# Allegro board SG2042_EVB_V1_1.brd (continued)
## Routing (per net, layer and track width the routed paths; a pad name or vN(x,y) marks a point on that pad's centre or on a via; arc(x,y) is an arc through that point) (continued)
134.82,195.87 U40.9 ; 134.72,196.32 U40.8 ; 76.52,148.22 J4.26 ; J4.26 77.84,148.22 ; J4.26 77.18,148.88 ; J4.26 77.18,147.56 ; 205.3,129.52 J1.48 ; J1.48 206.62,129.52 ; J1.48 205.96,128.86 ; J1.48 205.96,130.18 ; U34.20 181.38,195.76 ; 67.12,166.92 J3.4 ; J3.4 67.78,166.26 ; J3.4 68.45,166.92 ; 120.95,19.23 C1367.2 ; C1367.2 121.56,19.81 ; C1367.2 122.17,19.23 ; J2.268 201.02,59.82 ; J2.268 200.36,60.48 ; J2.268 200.36,59.16 ; J2.268 199.7,59.82 ; 67.12,153.32 J3.20 ; J3.20 67.78,153.98 ; J3.20 67.78,152.66 ; J3.20 68.45,153.32 ; J2.173 198.76,146.33 ; J2.173 198.76,145.01 ; J2.173 199.42,145.67 ; J2.173 198.1,145.67 ; R14.2 v1(72.97,86.13) ; 23.06,201.17 C557.2 22.15,201.17 ; C3144.1 v1(224.54,189.31) ; C3144.1 223.93,188.85 ; C3144.1 223.93,189.76 ; 69.98,133.11 J3.187 ; J3.187 69.98,134.43 ; J3.187 69.32,133.77 ; J3.187 70.65,133.77 ; J4.125 76.24,58.97 ; J4.125 75.58,58.31 ; J4.125 75.58,59.63 ; J4.125 74.92,58.97 ; J1.259 208.16,68.13 ; J1.259 207.5,67.47 ; J1.259 208.16,66.81 ; J1.259 208.82,67.47 ; J3.101 66.18,80.03 ; J3.101 66.85,79.37 ; J3.101 66.18,78.71 ; J3.101 65.52,79.37 ; 198.76,47.73 J2.283 198.1,47.07 ; J2.263 198.76,64.73 ; J2.263 198.76,63.41 ; J2.263 198.1,64.07 ; J2.263 199.42,64.07 ; J3.272 71.58,57.08 ; J3.272 70.92,56.42 ; J3.272 72.25,56.42 ; J3.272 71.58,55.76 ; R2413.2 v1(247.04,44.4) R2414.2 ; 205.96,150.96 J1.22 ; J1.22 206.62,151.62 ; J1.22 205.96,152.28 ; J1.22 205.3,151.62 ; R84.1 R85.1 v1(20.95,193.73) ; R84.1 21.82,193.88 ; R84.1 22.28,194.34 ; R654.2 v1(57,72.97) ; J4.105 76.24,75.97 ; J4.105 75.58,75.31 ; J4.105 75.58,76.63 ; J4.105 74.92,75.97 ; 124.66,196.32 v1(124.66,196.66) 124.76,196.77 U38.7 ; 204.36,141.61 J1.33 ; J1.33 205.02,142.27 ; J1.33 204.36,142.93 ; J1.33 203.7,142.27 ; J2.160 200.36,157.38 ; J2.160 199.7,156.72 ; J2.160 200.36,156.06 ; J2.160 201.02,156.72 ; R193.1 v1(184.35,228.7) ; U49.5 219.45,64.23 v1(219.48,64.26) 220.19,64.26 C1441.2 R461.1 ; C1415.2 v1(128.6,14.94) ; J3.28 68.45,146.52 ; J3.28 67.78,145.86 ; J3.28 67.78,147.18 ; J3.28 67.12,146.52 ; 199.7,143.12 J2.176 ; J2.176 201.02,143.12 ; J2.176 200.36,143.78 ; J2.176 200.36,142.46 ; C578.1 223.93,197.43 ; C578.1 v1(224.54,196.98) ; C578.1 223.93,196.52 ; 69.98,148.41 J3.169 ; J3.169 69.98,149.73 ; J3.169 70.65,149.07 ; J3.169 69.32,149.07 ; J4.11 75.58,161.63 ; J4.11 74.92,160.97 ; J4.11 76.24,160.97 ; J4.11 75.58,160.31 ; J4.131 75.58,54.53 ; J4.131 75.58,53.21 ; J4.131 76.24,53.87 ; J4.131 74.92,53.87 ; 114.6,196.32 v1(114.6,196.66) 114.7,196.77 U42.7 ; 114.6,196.32 v1(114.6,195.97) 114.7,195.87 U42.9 ; 114.6,196.32 114.6,196.32 U42.8 ; C1390.2 94.22,200.2 94.48,199.95 v1(94.48,199.66) 94.5,199.64 U44.2 96.32,199.64 v1(96.86,199.09) v1(96.25,198.48) 96.06,198.29 U44.5 94.5,198.29 v1(94.48,198.26) 94.48,197.94 94.23,197.69 C1384.2 v1(93.88,197.08) ; 67.78,84.66 J3.94 ; J3.94 68.45,85.32 ; J3.94 67.12,85.32 ; U17.40 142.96,16.51 ; U17.40 142.64,16 ; 153.38,230.88 D23.2 153.38,230.18 ; U815.2 v1(113.31,167.9) ; 229.51,230.88 D8.2 229.51,230.18 ; U2.H10 v1(211.53,206.04) ; R195.1 193.29,229.16 ; R195.1 193.29,228.24 ; R195.1 v1(192.68,228.7) ; 77.18,164.56 J4.6 ; J4.6 76.52,165.22 ; J4.6 77.84,165.22 ; 69.98,82.11 J3.241 ; J3.241 69.98,83.43 ; J3.241 69.32,82.77 ; J3.241 70.65,82.77 ; 66.18,141.61 J3.33 ; J3.33 66.18,142.93 ; J3.33 66.85,142.27 ; J3.33 65.52,142.27 ; 31.39,164.41 R121.1 ; R121.1 31.39,165.33 ; R121.1 v1(32,164.87) ; 31.39,163.14 R120.1 ; R120.1 v1(32,163.6) ; R120.1 31.39,164.06 ; U44.20 100.91,195.76 ; 205.3,131.22 J1.46 ; J1.46 206.62,131.22 ; J1.46 205.96,131.88 ; J1.46 205.96,130.56 ; J3.252 72.25,73.42 ; J3.252 70.92,73.42 ; J3.252 71.58,74.08 ; J3.252 71.58,72.76 ; J1.11 205.02,160.97 ; J1.11 204.36,160.31 ; J1.11 204.36,161.63 ; J1.11 203.7,160.97 ; J4.134 77.18,51.98 ; J4.134 77.18,50.66 ; J4.134 77.84,51.32 ; J4.134 76.52,51.32 ; 280.31,218.59 C2010.2 279.86,219.05 ; 67.12,134.62 J3.42 ; J3.42 67.78,135.28 ; J3.42 68.45,134.62 ; J3.42 67.78,133.96 ; J3.9 66.18,163.33 ; J3.9 65.52,162.67 ; J3.9 66.18,162.01 ; J3.9 66.85,162.67 ; J4.268 80.98,60.48 ; J4.268 81.64,59.82 ; J4.268 80.98,59.16 ; J4.268 80.32,59.82 ; U11.5 v1(216.8,181.11) ; U11.5 215.44,181.11 ; U11.5 216.04,180.79 ; 80.04,145.67 J4.173 79.38,146.33 ; J1.50 205.96,128.48 ; J1.50 205.3,127.82 ; J1.50 206.62,127.82 ; J1.50 205.96,127.16 ; U35.7 164.99,196.77 v1(164.89,196.66) 164.89,196.32 ; J1.55 205.02,123.57 ; J1.55 204.36,124.23 ; J1.55 203.7,123.57 ; J3.239 70.65,84.47 ; J3.239 69.98,83.81 ; J3.239 69.32,84.47 ; R287.2 v1(30.38,102.67) ; R287.2 29.77,103.13 ; R287.2 29.31,102.67 ; 71.58,123.76 J3.198 ; J3.198 70.92,124.42 ; J3.198 71.58,125.08 ; J3.198 72.25,124.42 ; U41.22 110.97,196.66 ; 285.85,141.53 C3281.1 ; C3281.1 v1(285.24,141.99) ; C3281.1 285.85,142.44 ; 195.52,230.88 D15.2 195.52,230.18 ; J1.28 206.62,146.52 ; J1.28 205.3,146.52 ; J1.28 205.96,145.86 ; J1.28 205.96,147.18 ; 273.4,237.49 D523.2 273.09,237.85 ; 199.7,78.52 J2.246 ; J2.246 200.36,79.18 ; J2.246 201.02,78.52 ; J2.246 200.36,77.86 ; J1.98 206.62,81.92 ; J1.98 205.96,82.58 ; J1.98 205.96,81.26 ; J1.98 205.3,81.92 ; 69.32,126.97 J3.195 ; J3.195 70.65,126.97 ; J3.195 69.98,126.31 ; J3.195 69.98,127.63 ; C1232.2 v1(157.71,28.5) ; C1232.2 156.64,28.5 ; C1232.2 157.1,28.04 ; 203.7,162.67 J1.9 ; J1.9 204.36,162.01 ; J1.9 204.36,163.33 ; J1.9 205.02,162.67 ; 245.72,35.79 C3119.1 246.63,35.79 ; J1.272 209.76,57.08 ; J1.272 209.76,55.76 ; J1.272 210.42,56.42 ; J1.272 209.1,56.42 ; 274.57,48.67 R294.2 ; R294.2 275.03,49.13 ; R294.2 v1(275.64,48.67) ; 207.5,133.77 J1.187 ; J1.187 208.16,133.11 ; J1.187 208.16,134.43 ; J1.187 208.82,133.77 ; 67.78,130.56 J3.46 ; J3.46 67.12,131.22 ; J3.46 68.45,131.22 ; J3.46 67.78,131.88 ; 28.37,193.5 C565.2 28.83,193.95 ; R413.2 v1(136.68,203.61) ; 77.84,151.62 J4.22 76.52,151.62 ; C1532.2 v1(58.67,74.98) ; J3.268 71.58,60.48 ; J3.268 72.25,59.82 ; J3.268 71.58,59.16 ; J3.268 70.92,59.82 ; 78.72,48.77 J4.281 ; J4.281 79.38,48.11 ; J4.281 80.04,48.77 ; J4.281 79.38,49.43 ; R299.2 148.03,13.21 ; R299.2 147.57,12.75 ; R299.2 v1(146.96,13.21) ; R640.2 v1(233.71,215.39) ; J3.48 67.78,130.18 ; J3.48 68.45,129.52 ; J3.48 67.78,128.86 ; J3.48 67.12,129.52 ; J3.107 66.18,74.93 ; J3.107 65.52,74.27 ; J3.107 66.85,74.27 ; J3.107 66.18,73.61 ; J2.182 200.36,138.68 ; J2.182 200.36,137.36 ; J2.182 199.7,138.02 ; J2.182 201.02,138.02 ; 206.4,222.89 C3289.2 206.4,221.97 ; C3156.1 111.51,168.53 ; C3156.1 111.96,168.07 ; C3156.1 v1(110.9,168.07) 110.64,168.33 C3157.1 ; 211.15,168.43 C20.2 212.07,168.43 ; J3.274 72.25,54.72 ; J3.274 71.58,54.06 ; J3.274 70.92,54.72 ; J3.274 71.58,55.38 ; J2.33 194.96,142.93 ; J2.33 194.96,141.61 ; J2.33 195.62,142.27 ; U39.21 151.21,196.21 ; R41.2 v1(64.97,218.34) ; R2382.2 v1(226.52,148.67) ; J1.176 209.76,143.78 ; J1.176 210.42,143.12 ; J1.176 209.1,143.12 ; J1.176 209.76,142.46 ; U34.22 181.38,196.66 ; R2409.2 v1(274.17,45.14) ; C602.1 142.9,51.79 ; C602.1 143.36,51.33 ; C602.1 v1(142.9,50.72) ; J2.195 199.58,126.97 ; J4.28 77.18,147.18 ; J4.28 77.84,146.52 ; J4.28 76.52,146.52 ; J4.28 77.18,145.86 ; U43.20 122.45,20.77 ; 208.16,148.41 J1.169 ; J1.169 207.5,149.07 ; J1.169 208.16,149.73 ; J1.169 208.82,149.07 ; 159.48,230.18 D25.2 159.48,230.88 ; R2347.2 v1(250.67,141.5) ; 198.1,147.37 J2.171 ; J2.171 198.76,146.71 ; J2.171 198.76,148.03 ; J2.171 199.42,147.37 ; 194.96,58.31 J2.125 ; J2.125 194.96,59.63 ; J2.125 194.3,58.97 ; J2.125 195.62,58.97 ; R296.2 147.57,19.66 ; R296.2 148.03,19.2 ; R296.2 v1(146.96,19.2) ; 31.39,168.22 R125.1 ; R125.1 31.39,169.14 ; R125.1 v1(32,168.68) ; 203.7,77.67 J1.103 ; J1.103 204.36,77.01 ; J1.103 204.36,78.33 ; J1.103 205.02,77.67 ; 122.58,36.4 R2493.2 ; R2493.2 123.04,36.86 ; R2493.2 123.04,35.94 ; 204.36,73.61 J1.107 ; J1.107 203.7,74.27 ; J1.107 205.02,74.27 ; J1.107 204.36,74.93 ; U36.8 154.84,196.32 154.83,196.32 ; R2372.2 v1(250.67,151.66) ; J4.195 78.57,126.97 ; 209.1,73.42 J1.252 ; J1.252 209.76,72.76 ; J1.252 210.42,73.42 ; J1.252 209.76,74.08 ; J4.57 76.24,121.87 ; J4.57 75.58,122.53 ; J4.57 74.92,121.87 ; v1(145.9,27.53) 145.92,27.56 R679.1 ; C1538.2 v1(54.91,112.39) ; 144.91,51.33 144.91,51.79 ; 144.91,51.33 v1(144.91,50.72) ; 144.91,51.33 145.36,51.33 ; 209.1,78.52 J1.246 ; J1.246 209.76,79.18 ; J1.246 209.76,77.86 ; J1.246 210.42,78.52 ; 199.7,141.42 J2.178 ; J2.178 200.36,142.08 ; J2.178 201.02,141.42 ; J2.178 200.36,140.76 ; v1(215.54,60.96) 215.52,60.93 C3148.2 v1(214.93,60.33) ; J1.42 206.62,134.62 ; J1.42 205.96,135.28 ; J1.42 205.96,133.96 ; J1.42 205.3,134.62 ; J3.156 72.25,160.12 ; J3.156 70.92,160.12 ; J3.156 71.58,160.78 ; J3.156 71.58,159.46 ; 194.96,56.61 J2.127 ; J2.127 195.62,57.27 ; J2.127 194.3,57.27 ; J2.127 194.96,57.93 ; 285.9,224.59 C3277.1 285.9,223.67 ; 233.57,230.18 D13.2 233.57,230.88 ; U38.22 131.09,196.66 ; J4.109 76.24,72.57 ; J4.109 74.92,72.57 ; J4.109 75.58,71.91 ; J4.109 75.58,73.23 ; 187.39,230.18 D18.2 187.39,230.88 ; U805.3 v1(273.22,235.03) ; 285.85,156.77 C3279.1 285.85,157.68 ; C585.2 v1(146.02,157.76) ; J4.250 80.17,75.12 ; R250.1 v1(152.37,228.7) ; J4.272 80.98,57.08 ; J4.272 81.64,56.42 ; J4.272 80.98,55.76 ; J4.272 80.32,56.42 ; 203.7,125.27 J1.53 ; J1.53 204.36,124.61 ; J1.53 204.36,125.93 ; J1.53 205.02,125.27 ; 292.3,201.98 U14.11 291.27,201.6 ; J2.252 201.02,73.42 ; J2.252 200.36,72.76 ; J2.252 200.36,74.08 ; J2.252 199.7,73.42 ; 80.98,135.66 J4.184 ; J4.184 80.98,136.98 ; J4.184 80.32,136.32 ; v1(220.55,110.13) C1421.1 R449.2 ; J1.96 206.62,83.62 ; J1.96 205.3,83.62 ; J1.96 205.96,82.96 ; J1.96 205.96,84.28 ; J2.151 199.58,164.37 ; 77.18,127.16 J4.50 ; J4.50 77.84,127.82 ; J4.50 76.52,127.82 ; U39.24 151.21,197.56 ; 207.5,166.07 J1.149 ; J1.149 208.16,165.41 ; J1.149 208.16,166.73 ; J1.149 208.82,166.07 ; J2.31 195.62,143.97 ; J2.31 194.96,143.31 ; J2.31 194.96,144.63 ; U43.7 128.78,19.77 v1(128.88,19.87) 128.88,20.22 ; v1(114,202.51) C1408.2 ; 287.27,35.79 C3315.1 286.36,35.79 ; J4.46 77.18,131.88 ; J4.46 77.84,131.22 ; J4.46 76.52,131.22 ; v1(224.1,78.89) C1505.2 223.76,78.28 223.5,78.03 223.5,77.71 223.48,77.69 U54.5 221.92,77.69 v1(221.75,77.52) v1(221.12,76.88) 221.66,76.34 U54.2 223.48,76.34 v1(223.5,76.31) 223.5,76.02 223.76,75.77 C1506.2 ; U43.9 128.78,20.67 v1(128.88,20.57) 128.88,20.22 ; R680.1 R682.1 v1(141.6,26.85) ; J4.243 78.57,81.07 ; 209.76,139.06 J1.180 ; J1.180 209.1,139.72 ; J1.180 210.42,139.72 ; J1.180 209.76,140.38 ; 283.63,240.58 J22.5 283.63,238.82 ; U38.20 131.09,195.76 ; J4.151 78.57,164.37 ; U40.21 141.15,196.21 ; J2.112 197.38,70.02 ; 203.7,140.57 J1.35 ; J1.35 205.02,140.57 ; J1.35 204.36,139.91 ; J1.35 204.36,141.23 ; 262,237.85 D530.2 262.3,237.49 ; U2012.5 286.09,196.56 ; U2012.5 285.48,196.89 ; U2012.5 v1(284.73,196.56) ; 201.02,155.02 J2.162 200.36,155.68 ; C1294.2 v1(155.12,201.6) ; R87.2 v1(13.74,200.66) ; 199.7,122.72 J2.200 ; J2.200 200.36,123.38 ; J2.200 201.02,122.72 ; Q501.2 v1(12.63,146.82) ; 203.7,58.97 J1.125 ; J1.125 204.36,59.63 ; J1.125 204.36,58.31 ; J1.125 205.02,58.97 ; 75.58,124.61 J4.53 74.92,125.27 ; R2380.2 v1(226.52,135.97) ; U36.23 161.27,197.11 ; R2412.2 v1(233.53,45.14) ; R1183.2 v1(28.88,122.3) ; R1183.2 29.34,121.69 ; R1183.2 28.42,121.69 ; J3.114 67.78,68.98 ; J3.114 68.45,68.32 ; J3.114 67.12,68.32 ; J3.114 67.78,67.66 ; 209.76,76.16 J1.248 ; J1.248 209.1,76.82 ; J1.248 210.42,76.82 ; J1.248 209.76,77.48 ; R1257.1 v1(226.62,186.77) ; R1257.1 227.23,187.22 ; R1257.1 227.23,186.31 ; v1(133.81,17.7) R288.2 v1(132.59,17.7) ; J3.37 66.85,138.87 ; J3.37 65.52,138.87 ; J3.37 66.18,139.53 ; J3.37 66.18,138.21 ; R136.1 v1(228.5,228.7) ; J4.116 77.84,66.62 ; J4.116 76.52,66.62 ; J4.116 77.18,65.96 ; 70.65,167.77 J3.147 69.98,167.11 ; 129.97,49.4 C530.1 129.51,48.95 ; C1275.2 154.58,200.2 154.83,199.95 v1(154.83,199.66) 154.85,199.64 U36.2 156.67,199.64 v1(157.21,199.09) v1(156.6,198.48) 156.41,198.29 U36.5 154.85,198.29 v1(154.83,198.26) 154.83,197.94 154.58,197.69 C1261.2 v1(154.23,197.08) ; 66.18,58.31 J3.125 ; J3.125 66.18,59.63 ; J3.125 65.52,58.97 ; J3.125 66.85,58.97 ; v1(146.96,16.66) R297.2 v1(148.18,16.66) ; 200.36,157.76 J2.158 ; J2.158 199.7,158.42 ; J2.158 200.36,159.08 ; J2.158 201.02,158.42 ; J4.44 77.84,132.92 ; J4.44 77.18,133.58 ; J4.44 77.18,132.26 ; J4.44 76.52,132.92 ; 209.1,124.42 J1.198 ; J1.198 210.42,124.42 ; J1.198 209.76,125.08 ; J1.198 209.76,123.76 ; 136.4,12.75 C1156.1 ; C1156.1 v1(137.01,13.21) ; C1156.1 136.4,13.67 ; 207.5,69.17 J1.257 ; J1.257 208.16,68.51 ; J1.257 208.82,69.17 ; J1.257 208.16,69.83 ; R2378.2 v1(250.67,149.12) ; 261.57,144.98 R2180.2 261.57,145.9 ; 222.83,96.7 R644.2 222.83,97.61 ; 208.16,128.01 J1.193 ; J1.193 208.82,128.67 ; J1.193 207.5,128.67 ; J1.193 208.16,129.33 ; R2411.2 v1(287.68,44.4) R2410.2 ; U2002.3 v1(262.12,235.03) ; 157.45,230.88 D21.2 157.45,230.18 ; 200.36,161.16 J2.154 ; J2.154 200.36,162.48 ; J2.154 199.7,161.82 ; J2.154 201.02,161.82 ; 220.24,190.78 R2182.2 220.24,191.69 ; U42.24 121.03,197.56 ; R390.2 v1(156.79,203.61) ; U56.4 55.69,114.14 v1(55.83,114.27) ; U10.4 v1(213.37,193.17) ; C1347.2 v1(124.94,201.6) ; J3.134 67.78,51.98 ; J3.134 67.78,50.66 ; J3.134 68.45,51.32 ; J3.134 67.12,51.32 ; C50.2 v1(64.8,109.09) ; U811.4 v1(213.37,185.5) ; v1(174.35,202.51) C1289.2 ; J2.257 199.42,69.17 ; J2.257 198.76,69.83 ; J2.257 198.1,69.17 ; 122.17,14.33 C1363.2 122.63,13.87 ; 149.32,230.18 D24.2 149.32,230.88 ; 202.36,84.05 R6.2 201.9,84.51 ; 205.3,149.92 J1.24 ; J1.24 206.62,149.92 ; J1.24 205.96,150.58 ; J1.24 205.96,149.26 ; 209.1,54.72 J1.274 ; J1.274 209.76,55.38 ; J1.274 209.76,54.06 ; J1.274 210.42,54.72 ; C1496.2 R637.2 v1(230.3,215.39) ; R438.2 v1(96.44,203.61) ; C1672.2 v1(267.39,231.75) ; 154.83,196.32 v1(154.83,196.66) 154.94,196.77 U36.7 ; 207.5,65.77 J1.261 ; J1.261 208.82,65.77 ; J1.261 208.16,66.43 ; J1.261 208.16,65.11 ; 77.18,133.96 J4.42 ; J4.42 77.18,135.28 ; J4.42 76.52,134.62 ; J4.42 77.84,134.62 ; 74.92,138.87 J4.37 ; J4.37 75.58,138.21 ; J4.37 76.24,138.87 ; J4.37 75.58,139.53 ; U47.8 v1(222.53,112.65) ; J2.281 198.76,49.43 ; J2.281 198.1,48.77 ; J2.281 198.76,48.11 ; J2.281 199.42,48.77 ; 70.92,76.82 J3.248 ; J3.248 72.25,76.82 ; J3.248 71.58,77.48 ; J3.248 71.58,76.16 ; U38.24 131.09,197.56 ; X3.2 v1(145.07,152.76) ; 272.53,238.82 J1103.5 272.53,240.58 ; 205.96,164.56 J1.6 ; J1.6 205.3,165.22 ; J1.6 205.96,165.88 ; J1.6 206.62,165.22 ; 205.3,49.62 J1.136 ; J1.136 206.62,49.62 ; J1.136 205.96,50.28 ; 281.23,236.35 v1(281.23,236.96) ; 261.43,238.82 J2006.5 261.43,240.58 ; U38.21 131.09,196.21 ; J4.279 79.38,51.13 ; J4.279 78.72,50.47 ; J4.279 80.04,50.47 ; J4.279 79.38,49.81 ; 66.18,54.91 J3.129 ; J3.129 66.85,55.57 ; J3.129 66.18,56.23 ; J3.129 65.52,55.57 ; C1428.1 v1(229.24,107.39) ; 80.98,142.46 J4.176 80.32,143.12 ; U2013.4 v1(228.66,193.17) ; 211.76,84.05 R2.2 212.22,84.51 ; 56.06,66.14 C1546.2 56.06,67.06 ; v1(59.72,61.87) 59.46,62.13 U58.1 ; 202.82,38.02 C24.2 202.36,37.57 ; v1(124.05,202.51) C1346.2 ; R436.2 v1(116.56,203.61) ; U40.20 141.15,195.76 ; C1515.2 v1(223.22,74.37) ; J4.96 76.37,83.62 ; U31.3 v1(155.05,28.64) ; 270.99,236.35 v1(270.99,236.96) ; 270.13,236.35 v1(270.13,236.96) ; v1(134.11,197.08) C1310.2 134.46,197.69 134.71,197.94 v1(134.71,198.26) 134.74,198.29 U40.5 136.29,198.29 v1(136.49,198.48) v1(137.1,199.09) 136.55,199.64 U40.2 134.74,199.64 v1(134.71,199.66) 134.71,199.95 134.46,200.2 C1325.2 ; v1(59.56,79.5) C1522.2 59.22,78.89 58.96,78.64 58.96,78.32 58.94,78.3 U55.5 57.38,78.3 v1(57.21,78.13) v1(56.58,77.49) 57.12,76.95 U55.2 58.94,76.95 v1(58.96,76.92) 58.96,76.63 59.22,76.38 C1523.2 ; U35.23 171.32,197.11 ; 67.12,64.92 J3.118 ; J3.118 68.45,64.92 ; J3.118 67.78,64.26 ; J3.118 67.78,65.58 ; U40.23 141.15,197.11 ; 71.58,142.46 J3.176 ; J3.176 72.25,143.12 ; J3.176 70.92,143.12 ; J3.176 71.58,143.78 ; J2.136 196.56,50.28 ; J2.136 196.56,48.96 ; J2.136 197.22,49.62 ; J2.136 195.9,49.62 ; 204.36,78.71 J1.101 ; J1.101 205.02,79.37 ; J1.101 204.36,80.03 ; J1.101 203.7,79.37 ; U2009.19 250.5,188.85 v1(250.25,188.6) 250.5,188.35 U2009.20 ; 155.22,228.24 R251.1 ; R251.1 v1(154.61,228.7) ; R251.1 155.22,229.16 ; R2376.2 v1(250.67,146.58) ; C1572.1 224.23,101.6 ; C1572.1 223.77,101.14 ; C1572.1 224.82,101.14 ; 16.69,108.44 C1744.2 16.69,109.35 ; R7.2 v1(213,49.3) ; 259.03,236.35 v1(259.03,236.96) ; C3234.1 115.85,218.21 ; C3234.1 v1(116.46,217.75) ; C3234.1 115.85,217.3 ; 29.77,99.67 R286.2 ; R286.2 v1(30.38,100.12) ; R286.2 29.31,100.12 ; 185.36,230.88 D14.2 185.36,230.18 ; v1(164.29,197.08) C1259.2 164.63,197.69 164.89,197.94 v1(164.89,198.26) 164.91,198.29 U35.5 166.47,198.29 v1(166.66,198.48) v1(167.27,199.09) 166.73,199.64 U35.2 164.91,199.64 v1(164.89,199.66) 164.89,199.95 164.63,200.2 C1269.2 ; 215.8,66.01 C1431.2 215.8,66.93 ; R1359.1 v1(231.09,201.35) ; J1.112 205.96,70.68 ; J1.112 206.62,70.02 ; J1.112 205.96,69.36 ; J1.112 205.3,70.02 ; U43.23 122.45,19.42 ; J4.180 80.98,140.38 ; J4.180 80.32,139.72 ; J4.180 80.98,139.06 ; v1(59.56,74.07) C1531.2 ; J2.193 199.58,128.67 ; C1491.2 R624.2 v1(226.9,215.39) ; 198.76,133.11 J2.187 ; J2.187 198.76,134.43 ; J2.187 198.1,133.77 ; J2.187 199.42,133.77 ; v1(64.34,164.67) C3325.2 R494.2 ; 63.73,86.13 R10.2 64.19,86.59 ; 235.53,191.69 R2488.2 235.53,190.78 ; U41.21 110.97,196.21 ; C48.2 v1(63.58,117.65) ; 74.92,57.27 J4.127 ; J4.127 75.58,56.61 ; J4.127 76.24,57.27 ; J4.127 75.58,57.93 ; U34.24 181.38,197.56 ; C1573.1 v1(219.15,102.21) ; 196.56,149.26 J2.24 197.22,149.92 ; R2374.2 v1(250.67,154.2) ; J1.4 206.62,166.92 ; J1.4 205.3,166.92 ; J1.4 205.96,166.26 ; J4.35 75.58,141.23 ; J4.35 74.92,140.57 ; J4.35 75.58,139.91 ; J4.35 76.24,140.57 ; U17.11 142.96,22.31 ; U17.11 142.64,22.81 ; v1(164.29,202.51) C1291.2 ; U54.20 217.07,80.21 ; 128.88,20.22 128.88,20.22 U43.8 ; 23.73,150.29 U2010.11 24.76,150.67 ; 73.58,37.57 C41.2 73.13,38.02 ; U39.8 144.78,196.32 144.78,196.32 ; J2.116 197.22,66.62 ; J2.116 195.9,66.62 ; J2.116 196.56,65.96 ; U42.22 121.03,196.66 ; J3.180 71.58,140.38 ; J3.180 71.58,139.06 ; J3.180 70.92,139.72 ; J3.180 72.25,139.72 ; 235.6,230.18 D10.2 235.6,230.88 ; U54.21 217.07,79.76 ; C1420.2 v1(223.82,117.17) ; 75.58,77.01 J4.103 ; J4.103 74.92,77.67 ; J4.103 76.24,77.67 ; J4.103 75.58,78.33 ; 227.23,193.98 R102.1 ; R102.1 v1(226.62,194.44) ; R102.1 227.23,194.89 ; U39.20 151.21,195.76 ; 204.36,156.91 J1.15 ; J1.15 203.7,157.57 ; J1.15 205.02,157.57 ; J1.15 204.36,158.23 ; v1(134.11,202.51) C1344.2 ; 259.89,236.35 v1(259.89,236.96) ; 53.06,117.58 C3151.2 53.06,118.49 ; 174.47,14.07 C3265.2 173.56,14.07 ; J2.131 194.96,54.53 ; J2.131 195.62,53.87 ; J2.131 194.96,53.21 ; J2.131 194.3,53.87 ; R1358.1 v1(233.88,201.35) ; J2.20 197.38,153.32 ; 290.78,141.53 C3287.1 290.78,142.44 ; C584.1 215.29,184.02 ; C584.1 v1(215.9,183.57) ; C584.1 215.29,183.11 ; R164.1 257.58,134.57 ; R164.1 R176.1 R177.1 R178.1 R165.1 R166.1 v1(257.58,127.15) ; R164.1 257.12,134.11 ; R39.2 v1(194.08,202.69) ; U39.22 151.21,196.66 ; U35.9 164.99,195.87 v1(164.89,195.97) 164.89,196.32 ; C1292.2 v1(165.18,201.6) ; J2.149 199.58,166.07 ; 67.78,50.28 J3.136 68.45,49.62 ; U42.21 121.03,196.21 ; C2001.2 275.23,220.45 ; C2001.2 v1(275.84,219.99) ; C2001.2 275.23,219.53 ; J3.35 66.18,141.23 ; J3.35 66.18,139.91 ; J3.35 65.52,140.57 ; J3.35 66.85,140.57 ; v1(114,197.08) C1370.2 114.34,197.69 114.6,197.94 v1(114.6,198.26) 114.62,198.29 U42.5 116.18,198.29 v1(116.37,198.48) v1(116.98,199.09) 116.44,199.64 U42.2 114.62,199.64 v1(114.6,199.66) 114.6,199.95 114.34,200.2 C1386.2 ; 67.78,62.56 J3.120 ; J3.120 67.12,63.22 ; J3.120 67.78,63.88 ; J3.120 68.45,63.22 ; U55.21 52.53,80.37 ; J4.114 76.37,68.32 ; v1(153.39,26.67) 153.39,26.49 153.82,26.06 R2100.2 ; 12.01,184.98 U2011.11 ; U2011.11 12.39,183.95 ; U2011.11 v1(12.39,186.16) ; v1(129.49,14.02) C1414.2 ; U35.8 164.89,196.32 164.89,196.32 ; R389.2 v1(166.85,203.61) ; 79.38,150.11 J4.167 78.72,150.77 ; U40.24 141.15,197.56 ; 209.1,160.12 J1.156 ; J1.156 209.76,159.46 ; J1.156 209.76,160.78 ; J1.156 210.42,160.12 ; J2.239 199.58,84.47 ; 132.74,21.16 R290.2 ; R290.2 v1(133.81,21.16) ; R290.2 133.2,21.62 ; U36.22 161.27,196.66 ; J1.109 204.36,73.23 ; J1.109 205.02,72.57 ; J1.109 204.36,71.91 ; J1.109 203.7,72.57 ; J3.55 66.85,123.57 ; J3.55 66.18,124.23 ; J3.55 65.52,123.57 ; Q2002.2 v1(151.98,7.53) ; J3.257 69.98,69.83 ; J3.257 69.32,69.17 ; J3.257 70.65,69.17 ; J3.257 69.98,68.51 ; v1(103.94,202.51) C1410.2 ; J1.162 209.76,155.68 ; J1.162 210.42,155.02 ; J1.162 209.1,155.02 ; J1.162 209.76,154.36 ; J4.24 77.84,149.92 ; J4.24 77.18,149.26 ; J4.24 76.52,149.92 ; U43.24 122.45,18.97 ; C71.2 v1(72.97,95.48) ; R2448.2 v1(63.75,201.22) ; J2.184 201.02,136.32 ; J2.184 200.36,136.98 ; J2.184 199.7,136.32 ; J2.184 200.36,135.66 ; v1(174.35,197.08) C1256.2 174.69,197.69 174.95,197.94 v1(174.95,198.26) 174.97,198.29 U34.5 176.53,198.29 v1(176.72,198.48) v1(177.33,199.09) 176.79,199.64 U34.2 174.97,199.64 v1(174.95,199.66) 174.95,199.95 174.69,200.2 C1263.2 ; C1556.1 v1(50.85,50.93) ; U36.21 161.27,196.21 ; v1(146.96,15.75) R298.2 v1(148.18,15.75) ; R4.2 v1(213,48.39) ; C581.2 v1(122.4,150.85) ; R253.1 v1(146.28,228.7) ; U34.23 181.38,197.11 ; 75.51,217.7 C1191.2 75.51,216.79 ; C49.2 v1(63.58,112.55) ; U42.20 121.03,195.76 ; C1422.2 v1(222.25,110.13) ; TP33.1 v1(272.52,189.71) ; U56.8 v1(55.19,114.91) ; U35.22 171.32,196.66 ; J2.15 195.78,157.57 ; U38.23 131.09,197.11 ; R388.2 v1(176.91,203.61) ; 53.6,227.18 D6.2 53.3,226.82 ; 226.52,127.31 C3273.1 226.52,126.39 ; v1(211.61,164.67) C3323.2 R490.2 ; R492.2 C3324.2 v1(211.61,162.64) ; 63.88,175.23 C80.2 64.8,175.23 ; R463.1 v1(221.23,68.15) ; v1(154.23,202.51) C1293.2 ; C1343.2 v1(145.06,201.6) ; J4.112 76.37,70.02 ; C3316.1 v1(289.64,194.49) ; 71.58,135.66 J3.184 ; J3.184 72.25,136.32 ; J3.184 70.92,136.32 ; J3.184 71.58,136.98 ; C3170.2 v1(256.29,231.75) ; U44.23 100.91,197.11 ; R194.1 v1(190.45,228.7) ; 29.31,113.03 C3308.1 30.23,113.03 ; R466.1 v1(222.68,63.2) ; J4.156 80.17,160.12 ; v1(54.76,105.51) C1577.1 ; R464.1 v1(222.68,62.33) ; 79.38,146.71 J4.171 ; J4.171 80.04,147.37 ; J4.171 79.38,148.03 ; R2101.2 v1(144.93,227.56) ; U40.22 141.15,196.66 ; J2.243 199.58,81.07 ; U39.23 151.21,197.11 ; U35.20 171.32,195.76 ; 151.35,230.18 D22.2 151.35,230.88 ; R2416.2 v1(30.63,103.66) ; R671.1 v1(62.92,63.09) ; TP19.1 v1(226.06,209.45) ; C1290.2 v1(175.23,201.6) ; 144.78,196.32 v1(144.78,196.66) 144.88,196.77 U39.7 ; U55.20 52.53,80.82 ; R648.2 v1(221.54,72.36) ; U43.21 122.45,20.32 ; R3.2 v1(213,47.47) ; U41.23 110.97,197.11 ; Q2005.2 v1(159.83,15.15) ; C3276.1 v1(250.67,128.8) ; v1(93.88,202.51) C1412.2 ; R133.1 v1(222.4,228.7) ; U35.24 171.32,197.56 ; v1(224.1,73.46) C1514.2 ; R2349.2 v1(250.67,144.04) ; C3321.1 239.22,197.43 ; C3321.1 v1(239.83,196.98) ; C3321.1 239.22,196.52 ; 120.88,38.63 C1416.1 121.79,38.63 ; Y2.3 v1(140.67,5.87) ; J2.241 199.58,82.77 ; U36.24 161.27,197.56 ; U44.24 100.91,197.56 ; Q2004.2 v1(151.53,14.23) ; C577.2 v1(173.53,164.36) ; 207.5,50.47 J1.279 208.16,51.13 ; U44.22 100.91,196.66 ; C3232.1 v1(73.63,223.06) ; C1409.2 v1(114.88,201.6) ; C1371.2 104.28,200.2 104.54,199.95 v1(104.54,199.66) 104.56,199.64 U41.2 106.38,199.64 v1(106.92,199.09) v1(106.31,198.48) 106.12,198.29 U41.5 104.56,198.29 v1(104.54,198.26) 104.54,197.94 104.28,197.69 C1368.2 v1(103.94,197.08) ; 61.47,67.44 v1(61.47,68.05) ; Q2003.2 v1(146.65,6.47) ; U44.21 100.91,196.21 ; C1443.1 v1(221.79,47.62) ; R669.1 v1(62.92,62.23) ; U2014.4 v1(228.66,185.5) ; C1345.2 v1(135,201.6) ; C1413.2 v1(94.77,201.6) ; C1541.1 v1(50.95,108.2) ; U816.3 v1(143.76,224.32) ; C1411.2 v1(104.83,201.6) ; J4.4 76.37,166.92 ; U54.24 217.07,78.41 ; U54.22 217.07,79.31 ; C1533.2 v1(56.49,119.43)
  TOP w0.305: U1.D15 U1.E15 U1.F15 ; C3286.1 v1(290.58,175.49) ; U2009.27 253.45,183.19 v1(253.4,183.14) ; U14.11 v1(290.07,201.98) ; C3287.1 v1(291.39,141.99) ; U806.11 v1(290.02,150.31) ; v1(253.5,200.55) 253.45,200.5 U2009.99 ; C3278.1 v1(285.29,208.89) ; U2010.11 v1(22.55,150.67) ; v1(267.66,197.3) 267.61,197.35 U2009.74 ; C3283.1 v1(291.44,224.13) ; C3284.1 v1(291.44,208.89) ; C3290.2 v1(200.86,222.43) ; U2003.11 v1(289.21,183.82) ; 124.54,134.7 124.54,134.14 v1(124.47,134.07) ; U2009.49 264.45,183.19 v1(264.4,183.14) ; U12.11 v1(290.07,217.22) ; C3279.1 v1(285.24,157.23) ; C3277.1 v1(285.29,224.13) ; U2009.10 250.3,193.35 v1(250.25,193.4) ; C3289.2 v1(207.01,222.43) ; C3285.1 v1(291.39,157.23) ; C3280.1 v1(284.43,175.49)